# KiCad board RF_MODULE.kicad_pcb
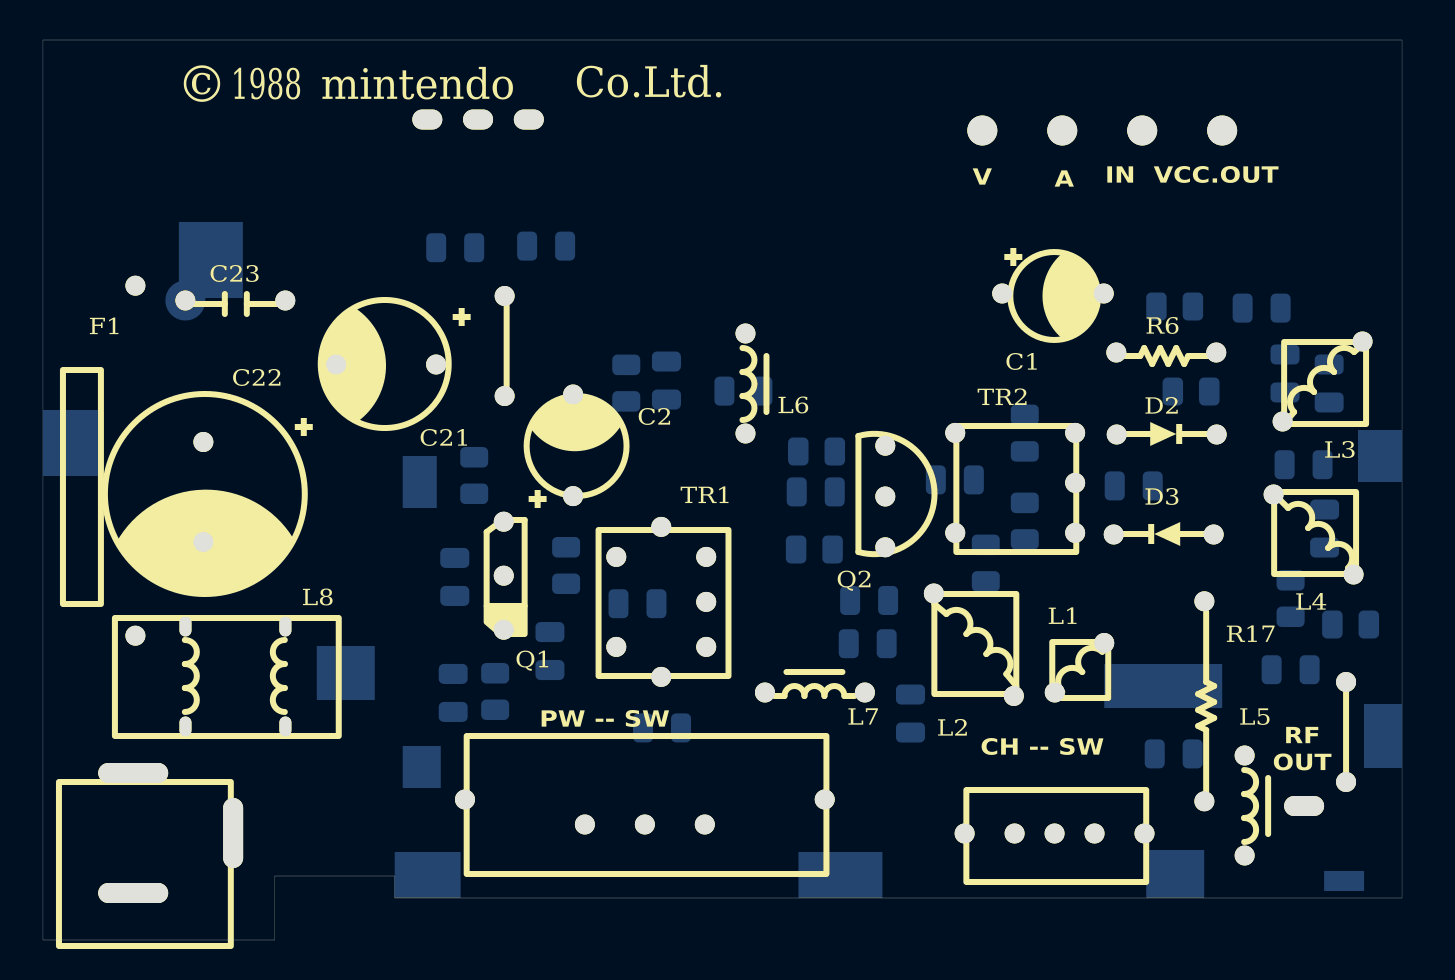
[diagram p0: board, top side]
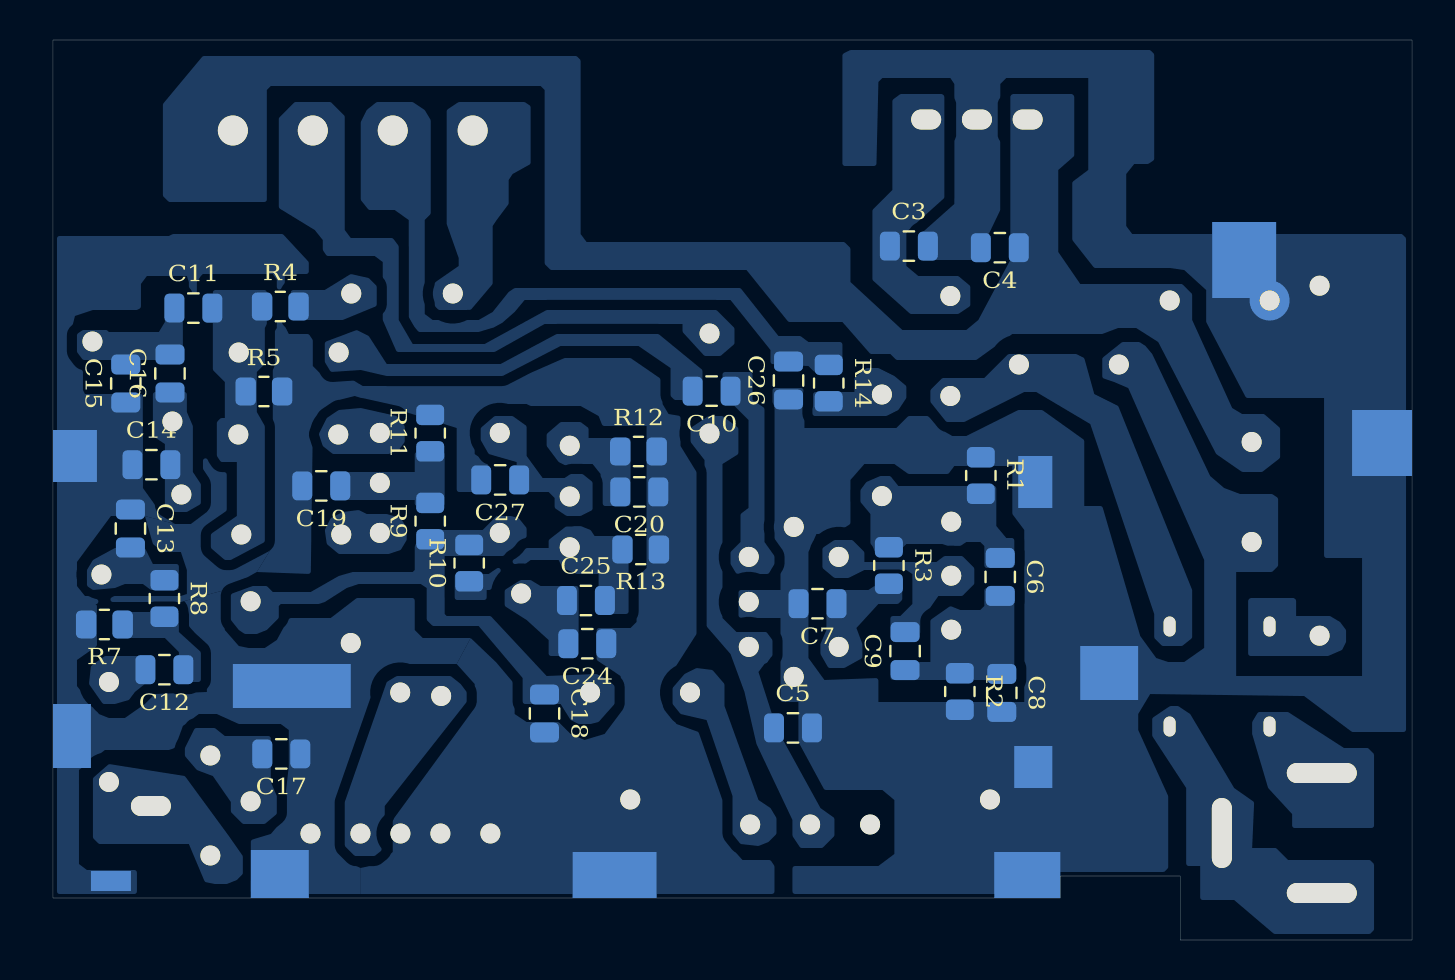
[diagram p1: board, bottom side, seen from below]

Outline 68 x 45 mm; copper layers: Top, Bottom. Coordinates in mm from the lower left corner of the outline.
Outline path: 0,45 68,45 68,2.1 17.6,2.1 17.6,3.2 11.6,3.2 11.6,0 0,0 0,45
Stack: Top 0.035mm / dielectric 1.51mm FR4 er 4.5 / Bottom 0.035mm

## Placement (name value [footprint] x y rotation side)
C1  10uF 16V  [C_pol_5.08p]  47.99 32.33 0 top
C2  1uF 50V  [C_pol_5.08p]  26.52 22.19 90 top
C3  9.7nF  [C_0805_2012Metric]  25.17 34.69 180 bottom
C4  9.6nF  [C_0805_2012Metric]  20.63 34.61 0 bottom
C5  99nF  [C_0805_2012Metric]  30.98 10.61 180 bottom
C6  2.5nF  [C_0805_2012Metric]  20.61 18.15 270 bottom
C7  92nF  [C_0805_2012Metric]  29.75 16.81 0 bottom
C8  SMD  [C_0805_2012Metric]  20.52 12.35 270 bottom
C9  44pF  [C_0805_2012Metric]  25.36 14.45 90 bottom
C10  12pF  [C_0805_2012Metric]  35.05 27.44 0 bottom
C11  12pF  [C_0805_2012Metric]  60.97 31.59 180 bottom
C12  12pF  [C_0805_2012Metric]  62.43 13.52 0 bottom
C13  12pF  [C_0805_2012Metric]  64.13 20.57 270 bottom
C14  12pF  [C_0805_2012Metric]  63.07 23.77 180 bottom
C15  12pF  [C_0805_2012Metric]  64.36 27.83 90 bottom
C16  12pF  [C_0805_2012Metric]  62.14 28.33 90 bottom
C17  9.3nF  [C_0805_2012Metric]  56.58 9.31 0 bottom
C18  9.4nF  [C_0805_2012Metric]  43.41 11.33 270 bottom
C19  70nF  [C_0805_2012Metric]  54.58 22.7 0 bottom
C20  SMD  [C_0805_2012Metric]  38.67 22.41 0 bottom
C21  47uF 16V  [C_pol_5.5d_5p]  19.67 28.78 180 top
C22  1000uF 6.3V  [C_pol_10.5d_5p]  8.03 24.9 270 top
C23  10nF  [C_ceramic_6d_3w_5p]  12.12 31.97 180 top
C24  15pF  [C_0805_2012Metric]  41.27 14.81 0 bottom
C25  15pF  [C_0805_2012Metric]  41.33 16.97 180 bottom
C26  940pF  [C_0805_2012Metric]  31.2 27.97 90 bottom
C27  5pF  [C_0805_2012Metric]  45.63 23 0 bottom
D2  D  [D_5p]  58.73 25.28 180 top
D3  D  [D_5p]  53.58 20.28 0 top
F1  1.5A  [fuse_17.5p]  4.62 15.22 90 top
J1  Conn_01x04  [conn_4pin_4p]  47 40.47 0 top
J2  POWER IN  [barrel_connector]  4.52 8.35 0 top
J3  Conn_Coaxial  [rca]  63.1 6.7 0 top
JP1  wire  [wire_5p]  23.1 27.2 90 top
JP2  wire  [wire_5p]  65.2 12.9 270 top
L1  0.8uH GREEN SPLIT  [coil_air_4d_2w_2.5p]  50.63 12.38 45 top
L2  0.8uH GREEN SPLIT  [coil_air_5d_5w_6.5p_1]  44.58 17.33 308 top
L3  0.7uH RED  [L_4x4]  62.02 25.92 0 top
L4  0.6uH GREEN  [L_4x4]  65.58 18.28 90 top
L5  0.8uH  [L_5p]  60.13 4.22 90 top
L6  33uH  [L_5p]  35.15 25.33 90 top
L7  33uH  [L_5p]  36.13 12.38 0 top
L8  Ferrite Torroid  [L_8od_4id_3t_5p]  7.13 10.67 0 top
Q1  2SC1740  [Q_SC72_2.7p_ECB]  23.05 15.52 90 top
Q2  2SC461  [Q_TO92_2.54p_ECB]  42.14 24.72 270 top
R1  15K  [R_0805_2012Metric]  21.58 23.22 270 bottom
R2  1K5  [R_0805_2012Metric]  22.63 12.42 270 bottom
R3  8K  [R_0805_2012Metric]  26.17 18.72 270 bottom
R4  11K  [R_0805_2012Metric]  56.62 31.67 180 bottom
R5  290R  [R_0805_2012Metric]  57.44 27.42 180 bottom
R6  6K8  [R_5p]  58.7 29.38 180 top
R7  182R  [R_0805_2012Metric]  65.43 15.78 0 bottom
R8  22R  [R_0805_2012Metric]  62.42 17.07 270 bottom
R9  1K3  [R_0805_2012Metric]  49.13 20.94 90 bottom
R10  2K6  [R_0805_2012Metric]  47.17 18.84 90 bottom
R11  15R  [R_0805_2012Metric]  49.13 25.34 90 bottom
R12  815R  [R_0805_2012Metric]  38.7 24.42 180 bottom
R13  2K6  [R_0805_2012Metric]  38.6 19.53 0 bottom
R14  8K  [R_0805_2012Metric]  29.19 27.84 270 bottom
R17  82R  [R_10p]  58.11 16.94 270 top
SW1  PW_SW  [sw_spdt_slide-18.5x7_3p]  27.11 5.78 0 top
SW2  CH-SW  [sw_spdt_slide-9.5x4.5_2p]  48.61 5.33 0 top
TR1  ADT1-1WT  [T_variable_5pin]  28.69 14.66 0 top
TR2  ADT1-1WT  [T_5pin]  45.64 20.36 0 top
U1  HA17805  [TO220-vreg]  24.31 41.03 180 top

## Library data of the parts
C1 C2 C21 C22 = -: Description: Polarized capacitor; ki_fp_filters: CP_*
C3-C9 C18-C20 C23-C25 C27 = -: Description: Unpolarized capacitor; ki_fp_filters: C_*
C10-C16 = -: Description: blue ceramic tube capacitor; ki_fp_filters: C_*
C17 = -: Description: ceramic capacitor; ki_fp_filters: C_*
C26 = -: Description: red ceramic tube capacitor; ki_fp_filters: C_*
D2 D3 = -: Description: Diode; Sim.Pins: 1=K 2=A; ki_fp_filters: TO-???* *_Diode_* *SingleDiode* D_*
F1 = -: Description: Fuse; ki_fp_filters: *Fuse*
J1 = -: Description: Generic connector, single row, 01x04, script generated (kicad-library-utils/schlib/autogen/connector/); ki_fp_filters: Connector*:*_1x??_*
J2 = -: Description: DC Barrel Jack with an internal switch; ki_fp_filters: BarrelJack*
J3 = -: Description: coaxial connector (BNC, SMA, SMB, SMC, Cinch/RCA, LEMO, ...); ki_fp_filters: *BNC* *SMA* *SMB* *SMC* *Cinch* *LEMO* *UMRF* *MCX* *U.FL*
JP1 JP2 = -: Description: Jumper, 2-pole, closed/bridged; ki_fp_filters: Jumper* TestPoint*2Pads* TestPoint*Bridge*
L1-L7 = -: Description: Inductor; ki_fp_filters: Choke_* *Coil* Inductor_* L_*
L8 = -: Description: Coupled inductor with ferrite core; ki_fp_filters: Choke_* *Coil* Inductor_* L_*
Q1 Q2 = -: Description: NPN bipolar junction transistor
R1-R14 R17 = -: Description: Resistor; ki_fp_filters: R_*
SW1 SW2 = -: Description: Switch, single pole double throw
TR1 = -: Datasheet: https://www.minicircuits.com/pdfs/ADT1-1WT.pdf; Description: 0.005-125MHz 1:1 RF Transformer, Unbalanced to Balanced Center Tap, CD542
U1 = -: Datasheet: http://www.st.com/content/ccc/resource/technical/document/datasheet/41/4f/b3/b0/12/d4/47/88/CD00000444.pdf/files/CD00000444.pdf/jcr:content/translations/en.CD00000444.pdf; Description: Positive 1.5A 35V Linear Regulator, Fixed Output 5V, TO-220/TO-263/TO-252; ki_fp_filters: TO?252* TO?263* TO?220*

## Footprints (pads in the part's own frame, mm; a bottom-side part is the same pattern mirrored in y, then rotated)
barrel_connector
  rect 4x1.5 hole 3.5x1: 1(0,0) 2(0,-6)
  rect 1.5x4 hole 1x3.5: 3(5,-3)
C_0805_2012Metric
  rrect 1x1.45 smd: 1(-0.95,0) 2(0.95,0)
C_ceramic_6d_3w_5p
  round 2 hole 1: 1(0,0) 2(5,0)
C_pol_5.5d_5p
  round 2 hole 1: 1(0,0) 2(5,0)
C_pol_5.08p
  round 2 hole 1: 1(0,0) 2(5.08,0)
C_pol_10.5d_5p
  round 2 hole 1: 1(0,0) 2(5,0)
coil_air_4d_2w_2.5p
  round 2 hole 1: 1(0,0) 2(3.5,0)
coil_air_5d_5w_6.5p_1
  round 2 hole 1: 1(0,0) 2(6.5,0)
conn_4pin_4p
  round 2 hole 1.5: 1(0,0) 2(4,0) 3(8,0) 4(12,0)
D_5p
  round 2 hole 1: 1(0,0) 2(5,0)
fuse_17.5p
  round 2 hole 1: 1(0,0) 2(17.5,0)
L_4x4
  round 2 hole 1: 1(0,0) 2(4,4)
L_5p
  round 2 hole 1: 1(0,0) 2(5,0)
L_8od_4id_3t_5p
  rect 1x1.4 hole 0.6x1: 1(0,0) 2(0,5) 3(5,0) 4(5,5)
Q_SC72_2.7p_ECB
  round 2 hole 1: B(5.4,0) C(2.7,0) E(0,0)
Q_TO92_2.54p_ECB
  round 2 hole 1: B(5.08,0) C(2.54,0) E(0,0)
R_5p
  round 2 hole 1: 1(0,0) 2(5,0)
R_10p
  round 2 hole 1: 1(0,0) 2(10,0)
R_0805_2012Metric
  rrect 1.025x1.4 smd: 1(-0.912,0) 2(0.912,0)
rca
  rect 2.4x1.4 hole 2x1: 1(0,0)
  rect 3x3.3 smd far side: 2(-61.6,18.15)
  rect 3.2x3.8 smd far side: 2(-54.7,27.3)
  rect 2.9x2.7 smd far side: 2(-47.95,6.65)
  rect 1.7x2.6 smd far side: 2(-44.25,16.2)
  rect 1.9x2.1 smd far side: 2(-44.15,1.95)
  rect 3.3x2.3 smd far side: 2(-43.85,-3.45)
  rect 4.2x2.3 smd far side: 2(-23.2,-3.45)
  rect 5.9x2.2 smd far side: 2(-7.05,6)
  rect 2.9x2.4 smd far side: 2(-6.45,-3.4)
  rect 2x1 smd far side: 2(2,-3.75)
  rect 2.2x2.6 smd far side: 2(3.8,17.5)
  rect 1.9x3.2 smd far side: 2(3.95,3.5)
sw_spdt_slide-9.5x4.5_2p
  round 1.4 hole 1: 1(0,0) 2(2,0) 3(4,0) 4(-2.5,0) 4(6.5,0)
sw_spdt_slide-18.5x7_3p
  round 1.4 hole 1: 1(0,0) 2(3,0) 3(6,0) 4(-6,1.25) 4(12,1.25)
T_5pin
  round 2 hole 1: 1(0,0) 2(0,5) 3(6,5) 4(6,2.5) 5(6,0)
T_variable_5pin
  round 2 hole 1: 1(0,0) 2(0,4.5) 3(4.5,4.5) 4(4.5,2.25) 5(4.5,0) 6(2.25,6) 6(2.25,-1.5)
TO220-vreg
  rect 2x1.5 hole 1.5x1: 1(0,0) 2(2.54,0) 3(5.08,0)
wire_5p
  round 2 hole 1: 1(0,0) 2(5,0)

## Nets
+5V: C18.1 L7.2 R9.1 R10.2 R17.1 TR2.1
+5V_OUT: C4.1 C22.1 C23.1 J1.4 U1.3
+5VA: C5.1 L6.1 SW1.2 TR1.5
GND: C3.2 C4.2 C5.2 C7.2 C8.2 C13.1 C14.1 C15.1 C17.1 C18.2 C19.2 C20.1 C21.2 C22.2 C23.2 C24.1 C26.1 C27.2 F1.2 J3.2 L1.2 R1.1 R2.2 R5.2 R7.2 R11.2 R12.2 R13.1 SW1.4 SW2.1 SW2.2 SW2.4 TR1.4 TR1.6 U1.2
/RF_VIN: J1.3 L6.2
/V+: J2.2 J2.3 L8.3
/V-: J2.1 L8.1
AUDIO: C26.2 J1.2 R14.1
RF_MIX: C11.2 D2.1 D3.2 R4.1 R5.1 R6.1
VIDEO: C1.1 J1.1
Net-(C1-Pad2): C1.2 R4.2
Net-(C2-Pad1): C2.1 C6.1 Q1.B R1.2 R3.1
Net-(C2-Pad2): C2.2 R14.2
Net-(C6-Pad2): C6.2 C8.1 C9.1 Q1.E R2.1
Net-(C7-Pad1): C7.1 R3.2 TR1.1
Net-(C9-Pad2): C9.2 Q1.C TR1.2
Net-(C10-Pad1): C10.1 TR1.3
Net-(C10-Pad2): C10.2 R6.2
Net-(C11-Pad1): C11.1 C15.2 C16.2 L3.2
Net-(C12-Pad1): C12.1 R7.1 R8.2
Net-(C13-Pad2): C13.2 L4.1 R8.1
Net-(C14-Pad2): C14.2 C16.1 L3.1 L4.2
Net-(C17-Pad2): C17.2 L5.2 R17.2
Net-(C19-Pad1): C19.1 R9.2 R11.1 TR2.4
Net-(C20-Pad2): C20.2 Q2.E R12.1
Net-(C24-Pad2): C24.2 C25.1 L2.1
Net-(C25-Pad2): C25.2 Q2.B R10.1 R13.2
Net-(C27-Pad1): C27.1 Q2.C TR2.2
Net-(D2-A): D2.2 TR2.3
Net-(D3-K): D3.1 TR2.5
Net-(F1-Pad1): F1.1 L8.2
Net-(J3-In): J3.1 JP2.2 L5.1
Net-(JP1-A): C21.1 JP1.1 L8.4
Net-(JP1-B): C3.1 JP1.2 U1.1
Net-(JP2-A): C12.2 JP2.1
Net-(L1-Pad1): L1.1 L2.2 SW2.3
Net-(L7-Pad1): L7.1 SW1.3

Pads without a net: SW1 1

## Copper pours and planes (outline as drawn; the poured copper is in the pictures)
+5V on Bottom: 40.2,13 39.9,12.7 39.9,11.8 40.7,10.9 41.1,10.8 41.7,10.8 42.1,11 42.6,11.8 44.5,11.8 44.5,13.1 46.7,15.7 49,15.7 49.3,16 49.3,17.6 49.6,17.8 52.7,17.8 53.3,17.6 54.4,16.9 54.7,16.8 56.6,16.8 56.7,16.7 56.7,16.1 57.3,15.5 57.8,15.3 58.4,15.3 58.7,15.5 59.1,16 59.1,17.3 58,17.7 57.3,17.7 57,17.4 55.1,17.4 53.7,18.2 53,18.4 50,18.4 49.9,18.5 49.9,20.5 46.5,20.5 45.8,21.2 45.1,21.2 44.7,21.1 44.3,20.6 44.3,19.9 45.4,19.2 48.4,19.2 48.4,16.3 48.3,16.2 46.1,16.2 43.3,13.2 40.8,13.3
+5V_OUT on Bottom: 16.6,32.8 17.7,34.4 17.7,38.5 16.9,39.2 16.9,42.2 17,42.3 20,42.3 20.1,42.2 20.1,34 21.7,31 22.3,30.5 25.5,30.5 28.1,32.9 28.1,34.6 28.4,34.9 41.3,34.9 41.6,35.3 41.6,44 41.8,44.2 60.5,44.2 62.5,41.8 62.5,37.2 62.2,36.9 57.3,36.9 57.3,42.5 57.1,42.7 43.6,42.7 43.4,42.5 43.4,33.8 43.1,33.5 33.3,33.5 31.2,30.9 28.5,30.9 27.1,29.3 26.1,29.3 25.8,29 21.8,29 20,30.3 15.5,30.3 14.7,30.6 13.8,30.6 12.7,29.9 9.8,24.3 8.5,23.4 7.5,23.4 6.6,24.1 6.6,25.6 7.4,26.3 8.5,26.3 9,26.6 11,31 11,32.3 11.5,32.8
+5VA on Bottom: 31,5.2 31,6 32.8,9.8 33.4,12.4 34.1,14.3 35.4,15.8 35.4,24 36.1,24.9 36.1,25.6 35.2,26.2 34.5,26.2 33.7,25.6 33.7,24.3 34.5,23.8 34.5,16.1 33.8,15.4 32.3,15.4 32,15 32,14 32.4,13.8 32.7,13.4 31.8,10.6 29.6,6.6 28.9,6.1 28.9,5.2 29.5,4.6 30.6,4.6
GND on Bottom: 31.9,2.2 31.9,3.7 32.1,4 33.5,4 34.4,5 34.4,6.7 35.7,10.4 36.8,10.8 37.4,11.6 37.4,12.8 35.8,15.3 35.8,23.4 36.6,24.7 36.6,26.2 37.2,26.3 37.5,26.8 37.5,28 39.1,29.1 42.4,29.1 45.6,27.7 52.5,27.7 53,28 54.3,28 55,28.7 55,30 55.2,30.3 57,30.3 57,19.7 57.8,18.4 55.1,18.3 55,25.5 54.4,26.6 53.7,27 52.9,27.2 47.8,25.6 47.8,22.4 46.2,22.4 46.2,23.8 46.9,24.3 46.9,26 45.8,26.8 44.3,26.8 44.1,26.7 41.6,26.7 40.7,26.2 40.5,25.7 38.3,25.7 38.3,18.6 38.8,18.1 38.8,15.9 39.1,15.6 40.8,15.6 40.8,14 39.6,13.2 39.5,11.5 40.4,10.3 41.4,10 42.1,10.3 42.7,10.9 44.3,10.9 44.9,11.3 44.9,13 47.1,15.1 47.8,13.8 46.9,12.8 46.9,11.6 51,6 51,4.4 51.7,3.8 52.6,3.6 52.6,2.2
GND on Bottom: 57,19.7 57.8,18.4 59.4,17.5 61.6,16.9 61.6,17.2 61.3,17.3 61.3,18.5 61.6,19.4 62.5,19.4 63,19.8 63.4,21.2 61.9,20.8 61.1,20.8 60.3,21.4 60.3,23 60.7,23.8 60.8,25.3 60.6,25.7 60.6,26.6 61.2,27.1 61.2,32.9 61.3,33.2 60.6,33.2 60.8,32.9 60.8,30.5 60.4,30.2 60.4,28.3 59.8,27.7 59.8,25.9 60.2,25.4 60.2,24.1 59.2,23.3 59.2,21.4 60.3,20.6 60.3,19.3 59.4,18.5
GND on Bottom: 61.6,17.2 61.6,16.9 65.7,16.9 65.8,16.8 67.9,16.8 67.9,35.2 62.2,35.2 62,35.3 56.5,35.3 55.2,33.9 55.2,33.3 56.4,33.3 56.4,30.7 56.2,30.3 57,30.3 56.8,30.6 56.8,33 57,33.3 60.5,33.3 60.6,33.2 63.3,33.2 63.6,32.8 63.6,31.6 63.8,31.5 66,31.5 66.9,31.2 67.1,30.4 67.1,29 66.5,28.5 66.5,27.5 66.4,27.3 63.5,27.3 63.5,22.6 62.5,21.2 61.9,20.8 63.4,21.2 65.1,21.2 66.8,18.9 66.8,17.7 66.4,17.2
GND on Bottom: 47.1,15.1 47.8,13.8 50.7,13.8 51.5,13.5 53.7,7.5 53.7,4.4 53.3,3.9 52.6,3.6 52.6,2.2 58.1,2.2 58.1,5 57.1,5.3 56.5,6 56.2,8.7 56.2,10.5 56.6,10.8 58.7,10.8 59.8,11.3 60.7,11.3 61.5,10.7 61.9,9.6 62.2,9.5 65.4,9.5 66.7,8.5 66.7,3.8 66.3,3.5 63.8,3.5 63.8,2.2 67.9,2.2 67.9,16.8 65.8,16.8 65.8,14.7 66.8,14 66.8,12.7 65.7,11.3 65.2,11.1 64.4,11.1 63.4,11.8 62.9,12.3 60.3,12.4 60.3,14.7 61.3,15.8 61.3,16.6 61.6,16.9 59.4,17.5 59.4,15.5 58.7,14.7 58.2,14.6 57.4,14.6 56.8,15 56.2,16.1 54.1,16.1 52.8,17.1 49.9,17.1 49.9,15.5 49.5,15.1
GND on Bottom: 0.5,35.3 0.3,35.1 0.3,10.4 3,10.4 5.4,12.2 13.1,12.3 13.7,11.3 13.7,10.5 12.2,7.2 12.2,3.6 12.4,3.4 17.7,3.4 17.7,2.2 31,2.2 31,3.7 26.7,3.7 25.9,4.3 25.9,7 26.5,7.5 29.4,7.5 30.7,9.9 30.7,11.9 31.6,11.9 31.6,16.1 33.7,16.1 33.7,17.5 31.6,17.5 31.6,19.6 32,20.1 32,27.6 30.4,27.6 30.4,25.6 25.8,25.6 25.2,26.2 24.2,26.2 23.7,25.6 23,25.2 22.3,25.2 19.7,26.5 18.5,26.5 16.4,25 16.4,21.7 20,21.7 20,23.7 22.9,23.7 23.2,23.3 25.2,23.3 25.9,23.8 27.4,23.8 28.1,23 28.1,20.8 28.9,20.3 29.8,20.3 30.2,19.4 30.2,14.1 29.4,13 26.7,13.1 26.7,11.9 19.4,11.9 19.4,20.5 20,21.3 20,21.7 15.5,21.7 13.6,15.2 12.8,14.1 12.2,13.9 11.4,13.9 10.4,14.6 10.4,19 14.2,27.6 14.9,27.9 15.5,28.1 15.5,29.1 14.5,29.9 13.5,29.9 13,29.3 10.1,23.2 9.4,22.6 8.6,22.3 7,22.3 6.7,22.1 6.7,18.7 7,18.4 8.8,18.4 8.8,13.2 2.5,13.2 2.5,19.1 4.4,19.1 4.4,27.1 8.3,27.1 10.3,30.9 10.3,32.5 11.4,33.5 12.1,33.6 15.9,33.6 17,35 17,37.9 16.2,38.5 16.2,43.1 20.3,43.1 20.6,42.8 20.6,36.5 21.8,34 24.7,34 24.7,35.2 22.9,36.8 22.9,42.8 23.1,43.1 26.5,43.1 26.7,42.9 26.8,38.7 28.5,38.7 28.5,44.3 28.1,44.5 13.1,44.5 12.9,44.3 12.9,39 13.2,38.8 13.9,38.8 14.3,38.3 14.3,35.7 14,35.3
/RF_VIN on Bottom: 53.4,35.5 53.4,41.2 54.1,41.9 55.9,41.9 56.7,41.1 56.7,36.6 54.9,35.5 54.5,35 54.5,34.5 54.3,34.2 51.9,34.2 51.5,33.9 51.5,31 50.8,29.4 45.9,29.4 43.4,30.8 36.5,30.8 36.5,30.4 35.4,29.2 34.6,29.2 33.9,29.8 33.9,30.6 34.8,31.5 43.3,31.5 46.4,29.8 50,29.8 50.7,31 50.7,34.7 51,35.1 53.1,35.1
/V+ on Bottom: 1.9,3.8 2.1,4 6.2,4 6.8,4.6 8,4.6 7.9,6.9 8.9,7.6 11.1,11.3 11.7,11.7 12.1,11.7 13,11.1 13,10.2 11.3,7.6 11.3,3.7 10.6,3.7 10.6,2 8.9,2 6.9,0.3 2.1,0.3 1.9,0.5
/V- on Bottom: 1.9,5.6 6,5.6 6,6.3 7.2,7.6 8,10.3 8,10.9 7.7,11.4 6.2,11.4 3.4,9.6 2.2,9.6 1.9,9.3
AUDIO on Bottom: 49.1,36.3 49.1,41 49.4,41.5 50,41.9 51.8,41.9 52.3,41.5 52.6,40.9 52.6,37 52.2,36.5 50.9,36.5 50.2,36 50.2,31 49.7,30.4 46.7,30.4 45.7,30.7 44.9,31.4 44.4,32 34.1,32 32.1,29.5 32.1,28.8 30.2,28.7 29.9,28.4 28.5,28.4 28.5,29.9 30.2,29.9 30.6,30.2 31.7,30.2 33.6,32.6 44.9,32.6 45.2,32.4 46,31.4 46.7,31 49,31 49.4,31.3 49.4,36
RF_MIX on Bottom: 57.3,32.5 57.3,30.8 57.4,30.6 57.4,28.8 57.8,28.4 57.8,26.4 57.4,25.7 57.4,19.9 59.1,19 59.4,19 60.1,19.6 60.1,20.3 58.8,21.2 58.8,23.9 59.6,23.9 59.8,24.2 59.8,25.9 59.6,26.1 59.4,26.1 59.4,27.9 60,28.5 60,32.5
VIDEO on Bottom: 44.1,41.7 44.4,41.9 47.7,41.9 48.3,41.5 48.3,35.8 47.7,34.1 47.7,33.7 49,32.8 49,31.8 48.7,31.5 47.1,31.5 46,32.8 46,35.7 45.8,36 45.2,36.8 45.2,38 45,38.3 44.1,38.8
Net-(C1-Pad2) on Bottom: 53.5,31 51.8,31.7 51.8,32.7 52.2,33.1 53.1,33.3 54.4,32.5 56.1,32.5 56.1,31
Net-(C2-Pad1) on Bottom: 19.9,20.1 20.3,20.1 20.8,20.7 20.8,22.7 25.7,22.7 26.1,23.2 26.6,23.2 27.3,22.9 27.6,22.5 27.6,21.9 27.1,21.3 27.1,19.2 25.5,19.2 25.5,19.6 25.3,19.8 23.5,19.8 23.2,19.7 22.6,19.7 22.3,19.9 21.6,19.9 21.4,19.7 21.4,18.6 19.9,18.6
Net-(C2-Pad2) on Bottom: 30,26.2 26.3,26.2 25.7,26.5 25.3,27.1 25.3,27.7 25.9,28.2 26.7,28.6 27.3,28.6 27.9,28.1 27.9,27.4 30,27.4
Net-(C6-Pad2) on Bottom: 21.6,16.5 21.4,16.7 21.4,17.6 19.9,17.6 19.9,13 26.1,13 26.1,13.9 24.1,13.9 24.1,16 23.1,16.7 22.6,16.5
Net-(C7-Pad1) on Bottom: 27.2,17.5 29.3,17.5 29.3,15.5 29.6,14.8 29.6,14.3 29.2,13.6 28.4,13.6 27.5,14.1 27.5,14.8 27.8,15.6 26.7,16.8 25.5,16.8 25.5,17.7 26.9,17.7
Net-(C9-Pad2) on Bottom: 27.4,18.5 25.3,18.5 25,18.3 25,16.8 25.6,16.2 26.1,16.2 26.1,15 24.7,15 24.4,16.2 23.7,17.2 22.5,17.2 21.9,17.8 21.9,18.6 22.5,19.2 23.4,19.2 23.8,18.9 27.4,18.9 27.4,19.4 28,20 28.9,20 29.5,19.6 29.5,18.6 28.9,18.1 28.2,18.1
Net-(C10-Pad1) on Bottom: 33.6,21.3 33.6,19.9 34.1,19.4 34.1,18.8 33.8,18.3 32.2,18.3 31.9,18.8 31.9,19.2 32.4,19.9 32.4,26.6 33,27 33,28.4 34.5,28.4 34.5,26.8 34,26.8 33.2,26 33.2,21.6
Net-(C10-Pad2) on Bottom: 37.7,30.3 42.8,30.3 45.6,28.8 51.3,28.8 52.2,30.2 52.8,30.5 54.4,29.9 54.4,28.9 54.1,28.4 52.6,28.5 51.3,28.2 45.5,28.2 42.6,29.7 38.7,29.7 37.1,28.6 37.1,27.2 36.9,27 35.5,27 35.5,28.5
Net-(C11-Pad1) on Bottom: 65.2,30.4 62.7,30.4 62.4,30.9 62.4,32.3 61.5,32.3 61.5,29 63.7,29 63.7,28.5 65.1,28.5 65.1,29 66.5,29 66.8,29.4 66.8,30.3 66.5,30.5 65.3,30.5
Net-(C12-Pad1) on Bottom: 60.6,12.9 60.6,14.4 61.7,15.4 61.7,16.4 64.8,16.4 64.8,15.1 62.4,15.1 61.7,14.4 61.7,12.9
Net-(C13-Pad2) on Bottom: 63,18.8 63.4,19.6 64.9,19.6 66,19 66.3,18.5 66.3,17.7 66,17.5 64.9,17.6 64.4,17.8 63.5,17.8 63.1,17.5 61.7,17.5 61.7,18.8
Net-(C14-Pad2) on Bottom: 63,27.4 63,25.2 62.4,24.8 62.4,21.7 61.9,21.4 61.3,21.4 60.6,21.8 60.6,22.8 61,23.4 61,25.7 61.3,26.4 61.3,27.4
Net-(C17-Pad2) on Bottom: 59.1,6.9 60,8.2 60.8,8.5 61.4,9.2 61.4,9.6 60.9,10.6 59.9,10.6 59.4,10.2 57.1,10.2 57.1,7.9 56.8,7.2 56.8,6.3 57.4,5.8 58.5,5.8 59.1,6.4
Net-(C19-Pad1) on Bottom: 49.9,23.4 49.9,24.4 48.4,24.4 48.4,21.7 49.9,21.7 49.9,22 53.7,22 53.7,23.4
Net-(C20-Pad2) on Bottom: 40.6,21.7 39.1,21.7 39.1,25.1 41.2,25.1 41.2,25.6 41.6,25.9 42.6,25.9 43.3,25.3 43.3,24.7 42.7,23.9 42.3,23.7 41.7,23.7 41.5,23.8 41,23.8 40.6,23.3
Net-(C24-Pad2) on Bottom: 43.2,14.2 41.7,14.2 41.7,17.7 43.6,17.7 44.1,18 44.6,18 45.4,17.5 45.4,16.7 44.3,16 43.2,15
Net-(C25-Pad2) on Bottom: 39.2,16.3 40.7,16.3 40.7,18.3 41.8,18.3 42.5,18.6 42.7,19 44.1,19 46.1,17.5 46.3,17.5 46.3,17 47.9,17 47.9,18.3 46.2,18.3 44.3,19.6 43.2,19.6 43.2,20 42.3,20.7 41.6,20.7 41.1,20.5 40.9,20.2 39.2,20.2
Net-(C27-Pad1) on Bottom: 44.8,23.9 46.2,24.3 46.6,25 46.6,25.6 45.9,26.2 45,26.2 44.3,25.7 44.3,24.2 43.5,23.1 42.4,23.1 42.1,23.3 41.5,23.3 41,22.9 41,21.5 41.6,21.2 42.3,21.2 42.9,21.6 42.9,22.1 43.2,22.4 44.8,22.4
Net-(D2-A) on Bottom: 52.6,26.6 50.8,26.2 50.4,25.7 50.4,24.9 50.7,24.5 51.2,24.3 54,24.3 54.5,24.7 54.7,25.3 54.3,26.1 53.7,26.5
Net-(D3-K) on Bottom: 51.2,19.3 53.7,19.3 54.3,19.8 54.4,20.5 54.1,21.1 53.5,21.4 52.7,21.5 52.3,21.3 51.3,21.3 50.6,21.1 50.3,20.6 50.3,20 50.6,19.5
Net-(F1-Pad1) on Bottom: 8.2,14.2 4.2,14.2 3.5,14.5 3.3,14.9 3.3,15.5 3.6,15.9 4.1,16.2 5.8,16.2 5.8,17 5.9,17.1 8.1,17.1 8.2,17
Net-(J3-In) on Bottom: 61.4,8.2 65.2,8.8 66,8.1 66,5.1 65.7,4.8 61.2,4.8 60.4,2.9 59.9,2.8 59.3,2.8 58.8,3 58.5,3.3 58.5,4.2 59.2,5.2
Net-(JP1-A) on Bottom: 15.9,27.3 14.7,26.7 11,17.5 11,15.1 11.5,14.7 12.5,14.7 12.9,15.1 12.9,16.3 16.1,25.8 18.8,27.4 19.4,27.4 22.4,25.9 23.3,25.9 24.1,26.9 24.1,27.5 23.5,28.1 21.4,28.1 20.2,29.3 16.8,29.3 16.4,29.1
Net-(JP1-B) on Bottom: 27,33 25.1,31.3 22.7,31.3 22.1,31.7 22.1,32.7 22.7,33.2 24.7,33.2 25.3,33.7 25.3,35.4 23.4,37.1 23.4,42.2 23.5,42.3 25.6,42.3 26,42 26,37.5 27,36.5
Net-(JP2-A) on Bottom: 63.4,14.2 63.4,12.8 63.9,12.4 64.2,12 64.9,11.8 65.5,11.8 66.2,12.8 66.1,13.7 65.4,14.2
Net-(L1-Pad1) on Bottom: 50.8,13.2 48.1,13.2 47.6,12.8 47.3,12.4 47.3,11.9 51.4,6.7 51.4,4.6 51.9,4.2 52.9,4.2 53.4,4.7 53.4,6.9 51.3,12.9
Net-(L7-Pad1) on Bottom: 32.7,7 34.4,11.7 34.4,12.8 35,13.5 35.8,13.6 36.4,13.3 37,12.6 37,11.8 36.6,11.3 35.3,11 34,7.2 34,5.3 33.6,4.8 32.7,4.7 32.2,4.9 31.8,5.3 31.8,6.1 32.1,6.6

## Text on the board
F.Silkscreen: PW -- SW | V | CH -- SW | A | IN | VCC.OUT | RF / OUT | 1988 | mintendo | Co.Ltd. | ©
